# KiCad board zak180.kicad_pcb (continued)
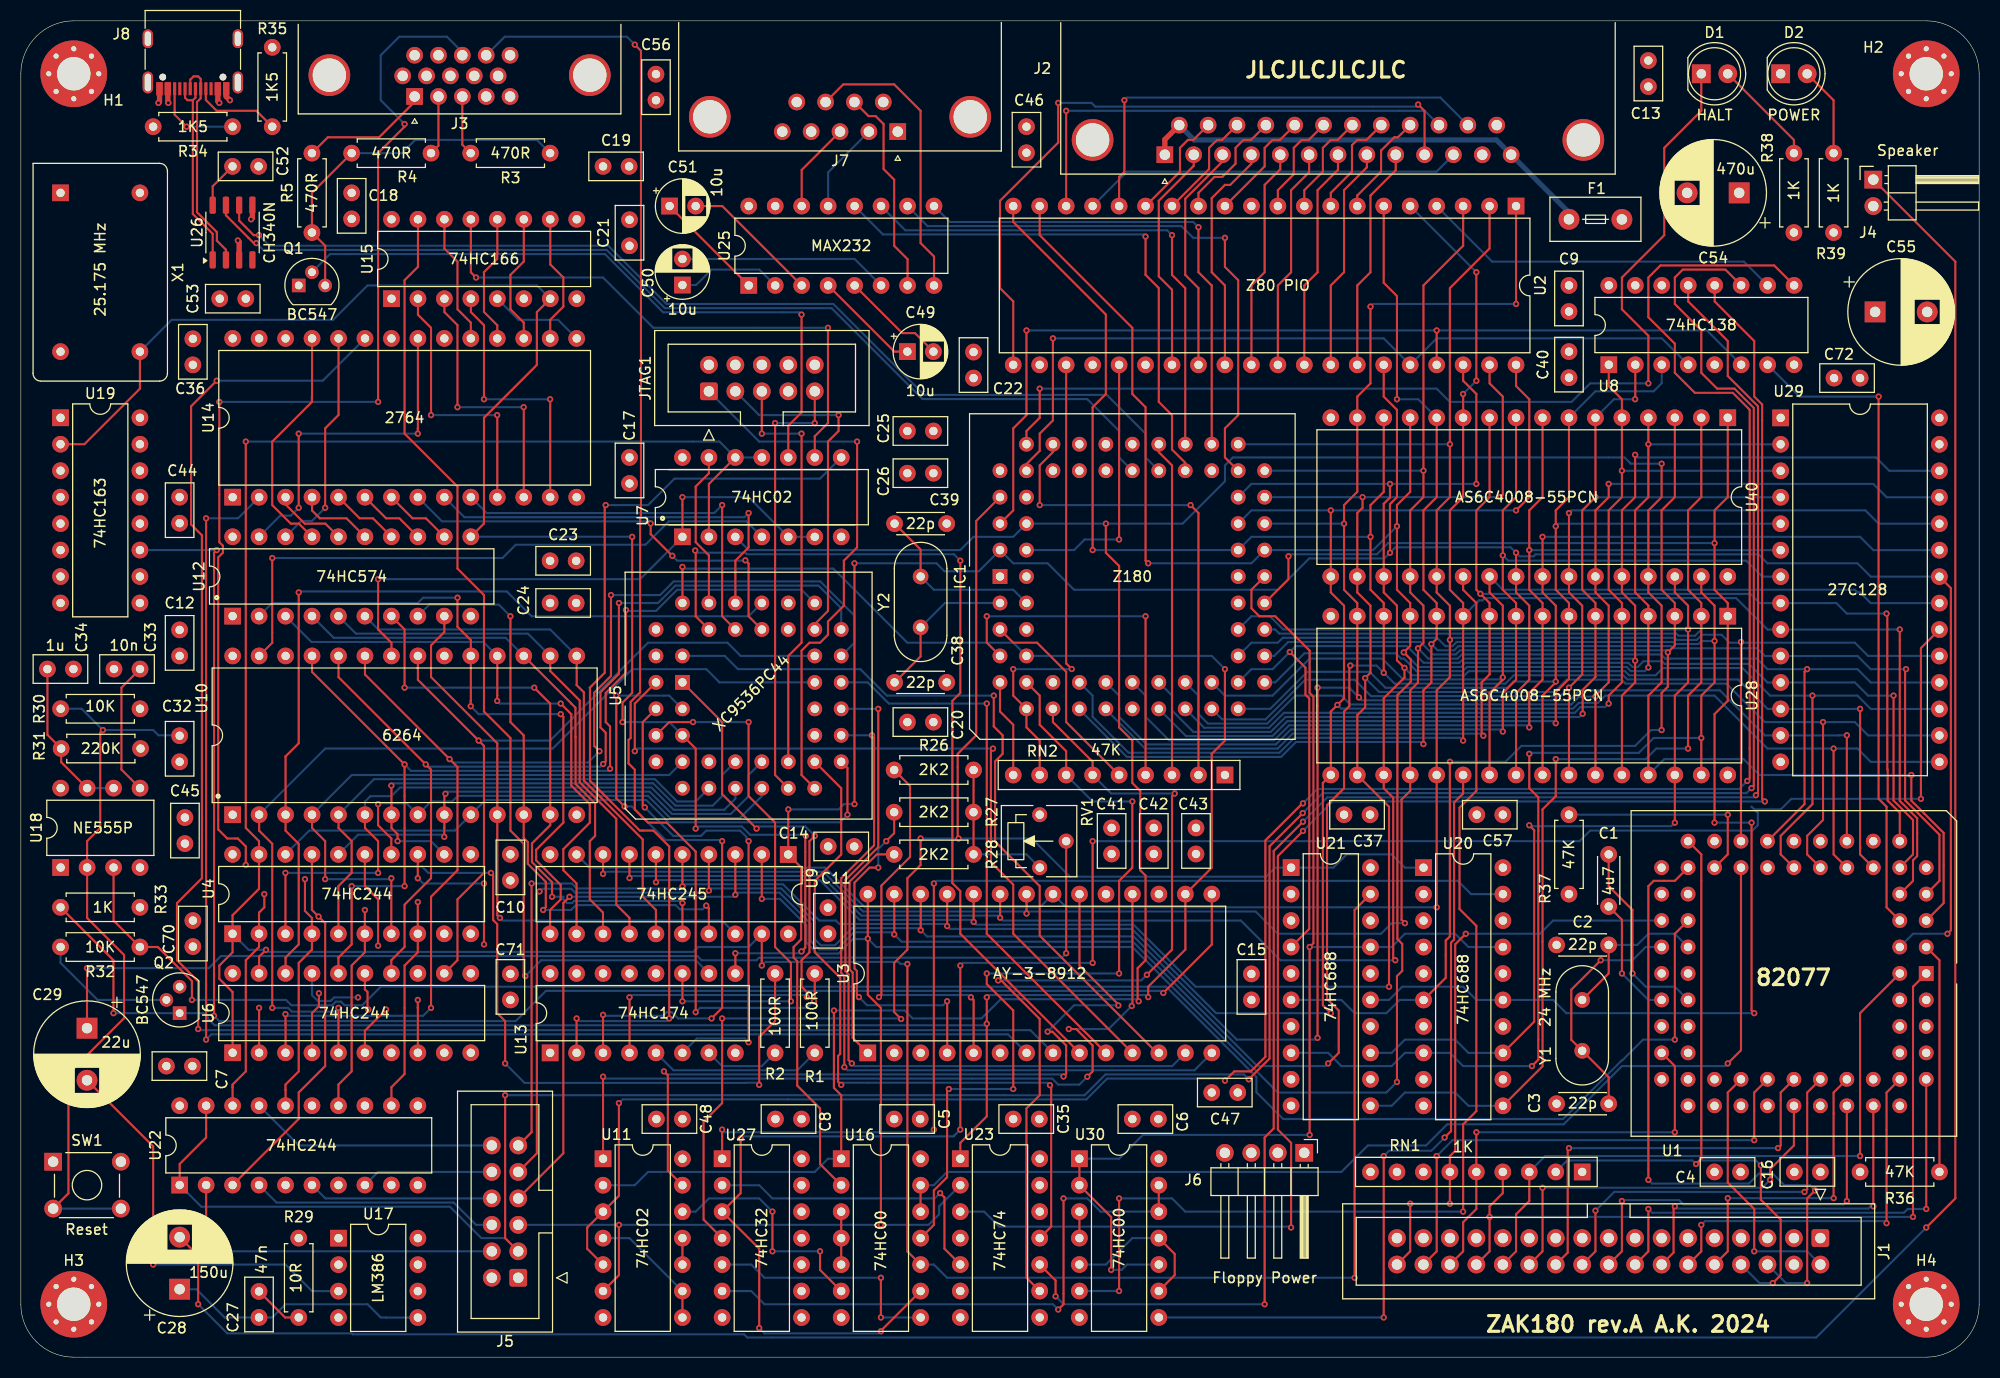
[diagram p0: board, top side]
## Routing (per net, layer and track width the routed paths; a pad name or vN(x,y) marks a point on that pad's centre or on a via; arc(x,y) is an arc through that point) (continued)
/cpu/D0: length 356.8
  Top w0.2: U2.19 97.79,107.7 106.68,98.81 106.68,92.46 107.95,91.19 107.95,76.45 v1(108.2,76.2) ; U9.2 71.11,43.99 v1(71.12,43.99) ; v1(179.74,63.5) 179.74,53.43 181.61,51.56 181.61,48.26 U1.11 ; U11.6 57.4,7.87 v1(57.4,12.7) ; U3.28 v1(81.29,40.18) 81.29,34.79 82.55,33.53 v1(82.55,12.7) ; v1(132.08,26.42) 132.08,36.58 132.59,37.08 132.59,39.66 132.12,40.13 132.12,63.54 133.4,64.82 133.4,66.98 v1(132.73,67.65) 133.35,68.27 U28.13 133.35,72.39 132.08,73.66 v1(132.08,79.76) 132.08,81.79 133.35,83.06 U40.13
  Bottom w0.2: v1(132.08,79.76) 129.79,77.47 IC1.37 118.11,76.2 v1(108.2,76.2) ; v1(132.73,67.65) 134.13,66.25 138.24,66.25 138.64,66.65 154.29,66.65 154.69,66.25 155.19,66.25 155.74,66.8 157.51,66.8 157.77,66.55 165.86,66.55 167.65,64.76 U29.11 175.76,64.76 175.77,64.77 176.02,64.77 177.29,63.5 v1(179.74,63.5) ; U23.2 88.14,14.48 88.14,13.72 87.12,12.7 v1(82.55,12.7) v1(57.4,12.7) J5.5 ; v1(132.08,26.42) 131.06,25.4 120.65,25.4 106.68,39.37 82.1,39.37 v1(81.29,40.18) 81.24,40.13 79.87,40.13 78.48,38.74 76.44,38.74 75.4,39.78 75.4,41.44 72.85,43.99 v1(71.12,43.99)
/cpu/D1: length 318.6
  Top w0.2: v1(68.58,44.39) 68.58,45.21 68.57,45.22 68.57,48.25 ; J5.7 52.07,19.57 52.07,43.6 v1(52.66,44.19) ; v1(176.53,62.23) 176.53,48.77 176.53,49.02 176.53,48.26 U1.13 ; U40.14 130.81,83.06 129.54,81.79 v1(129.54,78.74) 129.54,73.66 130.81,72.39 U28.14 v1(130.81,65.69) ; v1(83.83,40.58) U3.27 ; v1(125.48,28.19) 126.49,29.21 126.49,33.27 125.37,34.4 125.37,52.98 127,54.61 127,61.98 127.51,62.48 127.51,66.29 v1(127.6,66.39) ; U2.20 95.25,108.97 104.14,100.08 104.14,92.46 102.87,91.19 v1(102.87,77.47)
  Bottom w0.2: v1(176.53,62.23) 176.02,62.23 176.01,62.22 U29.12 167.65,62.22 164.82,65.05 154.19,65.05 153.79,65.45 143.29,65.45 142.49,64.65 131.85,64.65 v1(130.81,65.69) 130.12,66.39 v1(127.6,66.39) ; v1(52.66,44.19) 68.38,44.19 v1(68.58,44.39) 68.78,44.59 72.82,44.59 75.8,41.61 75.8,39.95 76.61,39.14 78.31,39.14 79.95,40.78 83.63,40.78 v1(83.83,40.58) 84.53,39.88 106.74,39.88 118.68,27.94 125.22,27.94 v1(125.48,28.19) ; v1(129.54,78.74) 118.11,78.74 IC1.38 v1(102.87,77.47)
/cpu/D2: length 285.8
  Top w0.2: U9.4 66.03,44.79 v1(66.04,44.79) ; v1(129.54,100.84) 129.54,93.47 128.27,92.2 U40.15 128.27,83.06 127,81.79 v1(127,80.01) 127,73.66 128.27,72.39 U28.15 128.27,63.49 v1(128.43,63.33) ; v1(124.46,64.26) v1(124.46,30.65) ; U2.1 v1(143.51,101.09) ; J5.9 49.53,19.57 49.53,44.45 v1(49.78,44.7) ; U1.14 v1(175.26,59.69) ; v1(86.37,40.98) U3.26
  Bottom w0.2: v1(124.46,30.65) 124.29,30.48 116.7,30.48 106.8,40.39 86.96,40.39 v1(86.37,40.98) 86.17,41.18 79.79,41.18 78.15,39.54 76.78,39.54 76.2,40.12 76.2,41.78 72.99,44.99 66.24,44.99 v1(66.04,44.79) 66.04,44.7 65.93,44.59 53.2,44.59 52.83,44.96 50.04,44.96 v1(49.78,44.7) ; v1(143.51,101.09) 129.79,101.09 v1(129.54,100.84) ; v1(175.26,59.69) 174.5,59.69 174.49,59.68 U29.13 167.4,59.68 163.07,64.01 149.61,64.01 148.65,63.05 128.71,63.05 v1(128.43,63.33) 127.5,64.26 v1(124.46,64.26) ; IC1.39 v1(127,80.01)
/cpu/D3: length 279.2
  Top w0.2: v1(173.99,58.42) 173.99,48.26 U1.15 ; J5.11 49.02,21.6 v1(49.02,45.47) ; v1(143.51,81.28) 144.78,82.55 144.78,91.95 143.51,93.22 U2.40 ; v1(125.73,33.02) 124.97,33.78 124.97,55.12 U28.17 125.73,61.98 v1(126.36,62.61) 127,63.25 127,72.14 125.73,73.41 v1(125.73,81.28) ; U9.5 63.49,45.73 63.5,45.72 v1(63.5,45.19) ; v1(88.91,41.38) U3.25
  Bottom w0.2: v1(126.36,62.61) 126.73,62.25 148.98,62.25 149.54,62.81 151.38,62.81 152.07,63.5 162.56,63.5 167.64,58.42 v1(173.99,58.42) 176.28,58.42 177.56,57.14 U29.15 ; v1(125.73,33.02) 114.73,33.02 106.64,41.11 89.18,41.11 v1(88.91,41.38) 88.71,41.58 78.56,41.58 78.23,41.91 76.63,41.91 73.15,45.39 63.7,45.39 v1(63.5,45.19) 63.3,44.99 53.37,44.99 52.89,45.47 v1(49.02,45.47) ; IC1.40 118.11,81.28 v1(125.73,81.28) v1(143.51,81.28)
/cpu/D4: length 239
  Top w0.2: v1(60.96,45.59) 60.96,46.23 60.95,46.23 60.95,48.25 ; U1.17 171.45,48.26 171.45,50.04 172.97,51.56 v1(172.97,60.96) ; U2.39 140.97,93.47 142.24,92.2 142.24,82.8 v1(141.99,82.55) ; v1(131.32,35.56) 131.32,52.84 U28.18 128.27,61.62 129.03,62.38 v1(129.03,65.19) 129.54,65.69 129.54,72.14 128.27,73.41 128.27,81.03 128.78,81.53 v1(128.78,82.55) ; v1(91.45,41.78) U3.24
  Bottom w0.2: v1(131.32,35.56) 112.75,35.56 106.8,41.51 91.72,41.51 v1(91.45,41.78) 91.25,41.98 80.5,41.98 76.69,45.79 61.16,45.79 v1(60.96,45.59) ; IC1.41 v1(128.78,82.55) v1(141.99,82.55) ; U29.16 177.3,59.68 176.02,60.96 v1(172.97,60.96) 167.39,60.96 163.7,64.65 154.03,64.65 153.65,65.02 148.34,65.02 147.17,63.85 130.37,63.85 v1(129.03,65.19)
/cpu/D5: length 237.1
  Top w0.2: U1.19 168.91,48.26 168.91,50.04 171.96,53.09 v1(171.96,63.5) ; v1(139.7,83.82) 139.7,92.46 138.43,93.73 U2.38 ; v1(58.42,45.99) 58.41,45.99 U9.7 ; v1(131.41,83.82) 131.41,82.51 130.81,81.91 130.81,73.41 132.08,72.14 132.08,66.89 v1(132.8,66.16) 132.8,65.24 130.81,63.25 U28.19 130.81,54.61 131.72,53.7 131.72,38.3 v1(131.92,38.1) ; v1(93.99,42.18) U3.23
  Bottom w0.2: U29.17 177.56,62.22 176.28,63.5 v1(171.96,63.5) 167.89,63.5 165.25,66.15 157.6,66.15 156.9,65.45 154.36,65.45 153.96,65.85 138.97,65.85 138.57,65.45 133.52,65.45 v1(132.8,66.16) ; v1(139.7,83.82) v1(131.41,83.82) 118.11,83.82 IC1.42 ; v1(58.42,45.99) 58.62,46.19 76.86,46.19 80.67,42.38 93.79,42.38 v1(93.99,42.18) 94.26,41.91 117.09,41.91 120.9,38.1 v1(131.92,38.1)
/cpu/D6: length 241.4
  Top w0.2: v1(55.88,46.39) 55.88,48.24 55.87,48.25 ; U1.20 171.2,53.09 171.2,65.79 v1(171.45,66.04) ; U2.3 138.43,106.68 134.62,102.87 v1(134.62,85.09) 134.62,82.55 133.35,81.28 133.35,73.41 134.62,72.14 134.62,68.56 v1(134.1,68.04) 134.1,64.76 133.35,64.01 U28.20 133.35,54.36 132.52,53.52 132.52,41.98 v1(132.84,41.66) ; v1(96.53,42.58) U3.22
  Bottom w0.2: U29.18 177.56,64.76 176.28,66.04 v1(171.45,66.04) 167.64,66.04 166.62,67.06 158.33,67.06 158.33,67.05 157.83,67.05 157.43,67.45 138.31,67.45 137.91,67.05 135.08,67.05 v1(134.1,68.04) ; v1(55.88,46.39) 56.08,46.59 77.02,46.59 80.83,42.78 96.33,42.78 v1(96.53,42.58) 96.73,42.78 118.51,42.78 120.65,40.64 130.56,40.64 131.57,41.66 v1(132.84,41.66) ; IC1.43 v1(134.62,85.09)
/cpu/D7: length 243.8
  Top w0.2: U2.2 140.97,106.43 137.16,102.62 v1(137.16,87.63) 137.16,82.55 135.89,81.28 135.89,73.41 137.16,72.14 v1(137.16,68.85) 137.16,65.28 135.89,64.01 U28.21 v1(135.89,43.18) ; U1.22 v1(165.1,68.65)
  Bottom w0.2: IC1.44 v1(137.16,87.63) ; 53.33,48.25 54.59,46.99 77.19,46.99 81,43.18 97.8,43.18 U3.21 100.33,43.18 v1(135.89,43.18) ; U29.19 184.13,67.31 177.29,67.31 176.02,68.58 163.99,68.58 163.23,69.34 161.35,69.34 160.86,68.85 158.93,68.85 158.73,69.05 137.36,69.05 v1(137.16,68.85)
/cpu/RX0: length 53.2
  Top w0.2: v1(107.95,107.57) 107.95,103.89 109.22,102.62 109.22,91.69 110.49,90.42 110.49,87.12 111.76,85.85 IC1.49
  Bottom w0.2: U25.12 82.75,107.77 107.75,107.77 v1(107.95,107.57)
/cpu/RX1: length 99.6
  Top w0.2: v1(22.61,106.93) 22.35,106.93 19.68,109.6 U26.7
  Bottom w0.2: v1(22.61,106.93) 23.26,106.28 56.22,106.28 61.81,100.69 77.81,100.69 86.54,91.96 102.35,91.96 105.41,88.9 105.41,86.36 IC1.53
/cpu/TX0: length 49.7
  Top w0.2: IC1.48 111.76,102.62 110.49,103.89 v1(110.49,107.7)
  Bottom w0.2: U25.11 84.89,108.17 110.02,108.17 v1(110.49,107.7)
/cpu/TX1: length 101
  Top w0.2: v1(22.86,107.7) 22.35,107.7 20.95,109.09 U26.6
  Bottom w0.2: v1(22.86,107.7) 23.88,106.68 56.39,106.68 61.98,101.09 77.98,101.09 86.71,92.36 104.23,92.36 107.95,88.65 107.95,86.36 IC1.51
/cpu/VBLANK: length 69.7
  Top w0.2: U23.11 98.89,12.53 98.89,25.99 v1(98.77,26.11) ; U5.19 78.74,54.61 78.74,48.26 76.2,45.72 76.2,38.86 78.64,36.42 78.64,29.11 78.44,28.91 78.44,26.44 v1(78.74,26.14)
  Bottom w0.2: v1(98.77,26.11) 98.54,26.34 78.94,26.34 v1(78.74,26.14)
/cpu/~{CTS0}: length 47.6
  Top w0.2: IC1.46 114.3,102.87 113.03,104.14 v1(113.03,108.46)
  Bottom w0.2: U25.9 89.17,108.97 112.52,108.97 v1(113.03,108.46)
/cpu/~{FLOPPY}: length 63.1
  Top w0.2: U1.6 179.07,43.18 179.07,52.83 178.31,53.59 v1(178.31,92.2)
  Bottom w0.2: v1(178.31,92.2) 170.71,92.2 U8.7
/cpu/~{HALT}: length 99.5
  Top w0.2: IC1.60 96.52,88.9 97.79,90.17 v1(97.79,92.96) ; D1.1 161.29,119.63 157.73,116.08 157.73,107.7 153.67,103.63 153.67,100.58 156.21,98.04 v1(156.21,93.47)
  Bottom w0.2: v1(97.79,92.96) 135.89,92.96 137.16,91.69 148.84,91.69 150.62,93.47 v1(156.21,93.47)
/cpu/~{INT0}: length 46.3
  Top w0.2: v1(95.25,66.04) 95.25,63.5 IC1.10 96.52,60.45 97.79,59.18 RN2.8 ; v1(100.87,66.05) 100.33,66.59 U2.23
  Bottom w0.2: v1(95.25,66.04) 100.85,66.04 v1(100.87,66.05)
/cpu/~{INT1}: length 81.4
  Top w0.2: v1(89.07,25.74) 88.9,25.57 88.9,17.27 87.63,16 87.63,12.7 U16.11 ; v1(95.25,25.74) 95.25,33.27 92.71,35.81 v1(92.71,36.83) ; IC1.11 97.79,63.5 97.79,60.71 100.33,58.17 RN2.7 ; v1(105.41,36.83) 105.41,45.72 106.68,46.99 v1(106.68,53.34)
  Bottom w0.2: v1(106.68,53.34) 102.87,53.34 RN2.7 ; v1(89.07,25.74) v1(95.25,25.74) ; v1(105.41,36.83) v1(92.71,36.83)
/cpu/~{IORQ}: length 77.9
  Top w0.2: v1(99.06,97.79) 99.06,89.92 97.79,88.65 97.79,87 96.52,85.72 IC1.62
  Bottom w0.2: U8.4 157.5,97.79 135.89,97.79 U2.36 130.81,97.79 v1(99.06,97.79)
/cpu/~{KEYBOARD}: length 264
  Top w0.2: U8.11 163.6,104.39 159.51,104.39 158.75,103.63 158.75,101.09 161.29,98.55 161.29,94.49 162.81,92.96 164.48,92.96 166.33,91.11 166.33,54.84 v1(166.11,54.62) ; v1(117.86,26.67) 119.85,28.66 119.85,49.03 v1(123.04,52.22) ; U22.1 15.24,18.55 17.78,21.08 17.78,21.84 17.78,21.85 U22.19 ; J5.3 46.48,11.42 v1(46.48,25.15)
  Bottom w0.2: v1(117.86,26.67) 117.39,27.14 104.1,27.14 102.1,25.14 94.49,25.14 94.49,25.15 89.32,25.15 89.32,25.14 88.82,25.14 88.81,25.15 v1(46.48,25.15) ; v1(166.11,54.62) 165.63,54.14 124.96,54.14 v1(123.04,52.22) ; U22.1 17.32,14.44 41.19,14.44 44.2,11.43 46.47,11.43 J5.3
/cpu/~{M1}: length 92.9
  Top w0.2: v1(135.89,98.55) U2.37 ; v1(96.52,98.55) 96.52,90.42 95.25,89.15 95.25,81.28 IC1.65
  Bottom w0.2: U8.6 161.82,98.55 v1(135.89,98.55) v1(96.52,98.55)
/cpu/~{NMI}: length 9.4
  Top w0.2: RN2.9 95.25,60.71 93.98,61.98 IC1.9
/cpu/~{PIO}: length 34.9
  Bottom w0.2: U8.10 165.38,105.16 141.22,105.16 U2.4
/cpu/~{RAM}: length 56.1
  Top w0.2: v1(100.08,15.24) 100.08,5.08 v1(99.57,4.57) ; U30.12 U30.13
  Bottom w0.2: v1(99.57,4.57) 99.06,5.08 71.37,5.08 70.11,6.34 U27.6 ; v1(100.08,15.24) 102.36,15.24 103.63,13.97 U30.12
/cpu/~{RD}: length 259.5
  Top w0.2: U2.35 130.81,92.2 132.08,90.93 132.08,82.55 131.41,81.88 v1(131.41,77.22) ; v1(143.51,77.22) 143.51,73.41 144.78,72.14 144.78,65.02 143.51,63.75 U28.24 ; U29.22 185.24,73.82 185.24,40.97 v1(184.91,40.64) ; v1(80.01,53.09) v1(80.01,76.2) ; U16.2 76.71,18.54 76.71,23.88 74.51,26.07 74.51,38.01 74.17,38.35 74.17,39.37 74.89,40.09 74.89,47.01 U9.1 73.65,52.57 v1(73.66,52.58)
  Bottom w0.2: v1(80.01,53.09) 78.99,53.09 78.49,52.58 v1(73.66,52.58) ; U29.22 177.56,74.92 176.28,76.2 167.64,76.2 166.78,77.06 145.39,77.06 145.2,76.87 143.86,76.87 v1(143.51,77.22) 142.99,77.74 131.93,77.74 v1(131.41,77.22) 130.86,76.67 123.66,76.67 120.65,73.66 101.09,73.66 98.55,76.2 95.25,76.2 IC1.67 91.95,75.44 88.65,75.44 87.88,76.2 v1(80.01,76.2) ; U1.4 181.61,40.64 v1(184.91,40.64)
/cpu/~{ROM}: length 199.9
  Top w0.2: v1(182.37,53.59) 182.37,68.07 U29.20 ; v1(70.87,2.79) 70.87,10.41 U27.3 69.09,15.74 v1(69.09,20.99) ; U16.9 82.55,2.54 v1(82.55,2.49) ; v1(102.87,49.53) v1(102.87,37.85) ; v1(90.17,21.84) v1(90.17,37.59)
  Bottom w0.2: v1(102.87,49.53) 149.61,49.53 150.62,50.55 166.2,50.55 166.72,51.06 166.72,52.23 166.12,52.83 166.37,52.58 168.91,52.58 169.93,53.59 v1(182.37,53.59) ; v1(90.17,37.59) 90.42,37.85 v1(102.87,37.85) ; 89.66,21.34 89.57,21.24 ; 89.66,21.34 v1(90.17,21.84) ; 89.66,21.34 89.52,21.19 69.29,21.19 v1(69.09,20.99) ; v1(82.55,2.49) 82.35,2.29 71.37,2.29 v1(70.87,2.79)
/cpu/~{RTS0}: length 55.7
  Top w0.2: IC1.45 115.57,86.36 115.57,89.15 116.84,90.42 116.84,103.38 115.57,104.65 v1(115.57,107.44)
  Bottom w0.2: v1(115.57,107.44) 112.52,107.44 111.4,108.57 87.03,108.57 U25.10
/cpu/~{SOUND}: length 220.7
  Top w0.2: v1(115.57,26.54) 116.46,27.43 118.05,27.43 119.45,28.83 119.45,49.6 123.01,53.16 v1(123.06,53.16) ; U11.5 54.36,10.41 54.36,12.44 U11.3 57.4,15.49 v1(57.4,24.38) ; v1(165.7,55.31) 165.93,55.54 165.93,90.94 164.31,92.56 160.67,92.56 158.75,94.49 158.75,97.28 156.21,99.82 156.21,103.63 157.37,104.79 168.28,104.79 U8.9
  Bottom w0.2: v1(115.57,26.54) 115.37,26.74 104.27,26.74 102.27,24.74 73.67,24.74 73.66,24.75 57.77,24.75 v1(57.4,24.38) ; v1(123.06,53.16) 124.44,54.54 164.93,54.54 v1(165.7,55.31)
/cpu/~{VBLANKACK}: length 168.2
  Top w0.2: U8.13 160.03,101.33 163.83,97.54 163.83,94.18 166.73,91.27 166.73,54.14 v1(166.53,53.94) ; v1(99.31,5.84) 99.31,7.37 U23.10 ; v1(119.38,5.08) 119.38,21.08 120.25,21.95 120.25,48.59 v1(123.06,51.4)
  Bottom w0.2: v1(166.53,53.94) 166.33,53.74 125.4,53.74 v1(123.06,51.4) ; v1(99.31,5.84) 100.08,5.08 v1(119.38,5.08)
/cpu/~{VRAM}: length 301.2
  Top w0.2: U16.10 85.09,10.16 v1(85.09,37.74) ; v1(128.02,7.62) 128.02,42.93 U21.19 ; v1(23.53,39.1) 22.86,38.43 U6.19 ; U7.12 66.04,83.82 U7.2 ; v1(71.12,37.59) 71.12,38.1 71.11,38.1 U9.19 ; v1(21.59,87.88) 21.59,50.8 22.86,49.53 U4.19 22.86,44.96 20.32,42.42 U4.1 20.32,38.86 19.05,37.59 19.05,36.32 20.32,35.05 U6.1
  Bottom w0.2: U4.1 21.86,39.1 v1(23.53,39.1) 23.73,38.9 64.55,38.9 65.02,39.37 69.85,39.37 U9.19 ; U7.11 U7.12 67.06,87.88 v1(21.59,87.88) ; v1(128.02,7.62) 88.9,7.62 87.63,8.89 87.62,8.88 U16.10 ; v1(85.09,37.74) 84.43,37.74 84.23,37.94 71.47,37.94 v1(71.12,37.59)
/cpu/~{WAIT}: length 20
  Top w0.2: RN2.5 100.33,60.96 100.33,65.79 97.54,68.58 95.25,68.58 IC1.5
/cpu/~{WR}: length 284.8
  Top w0.2: v1(107.29,34.16) 107.19,34.26 107.19,37.34 107.95,38.1 107.95,46.23 107.44,46.74 107.44,54.36 106.68,55.12 106.68,59.18 105.41,60.45 105.41,75.95 104.14,77.22 v1(104.14,80.01) ; U16.1 78.74,25.15 78.04,25.85 v1(78.04,33.27) ; v1(181.45,55.88) 181.45,53.42 184.55,50.32 184.55,43.58 U1.5 ; v1(157.48,85.76) 157.48,82.55 156.21,81.28 156.21,73.41 157.48,72.14 157.48,64.77 156.21,63.5 U28.29
  Bottom w0.2: U11.2 58.92,16.51 60.2,17.78 76.2,17.78 77.47,19.05 77.47,19.05 U16.1 ; v1(157.48,85.76) 154.52,85.76 153.92,86.36 116.33,86.36 115.57,85.6 115.57,84.07 111.51,80.01 v1(104.14,80.01) IC1.66 95.25,78.74 91.44,78.74 90.17,77.47 69.85,77.47 U7.3 ; v1(78.04,33.27) 84.84,33.27 85.6,32.51 92.2,32.51 94.05,34.36 107.09,34.36 v1(107.29,34.16) ; U28.29 157.73,57.4 165.35,57.4 166.88,55.88 v1(181.45,55.88)
/floppy/IRQ: length 104.2
  Top w0.2: U16.13 U16.12 ; U1.23 165.1,29.46 v1(163.83,28.19)
  Bottom w0.2: U16.13 87.62,16.51 88.9,17.78 126.75,17.78 129.29,20.32 134.87,20.32 136.91,22.35 148.08,22.35 153.67,27.94 163.58,27.94 v1(163.83,28.19)
/floppy/TC: length 20.8
  Top w0.2: U1.25 163.83,48.26 v1(163.83,52.07)
  Bottom w0.2: R37.1 v1(163.83,52.07)
/floppy/~{DACK}: length 22.1
  Top w0.2: U1.3 184.15,38.1 R36.2
/sound/ROMSEL0: length 164.4
  Top w0.2: v1(17.02,31.5) 17.02,36.07 14.99,38.1 14.99,43.58 17.38,45.97 17.38,78.89 16.34,79.93 16.34,91.27 v1(18.8,93.73)
  Bottom w0.2: v1(17.02,31.5) 17.13,31.39 96.89,31.39 U3.8 ; v1(18.8,93.73) 28.97,93.73 33.03,97.78
/sound/ROMSEL1: length 135.7
  Top w0.2: v1(17.78,30.48) v1(17.78,80.52)
  Bottom w0.2: v1(17.78,30.48) 18.29,30.99 94.75,30.99 U3.7 ; v1(17.78,80.52) 20.84,80.52 U14.2
/sound/SCRL0: length 72.4
  Top w0.2: v1(81.7,59.69) 81.9,59.49 81.9,49.13 78.74,45.97 78.74,36.89 79.04,36.59 v1(79.04,27.84)
  Bottom w0.2: v1(81.7,59.69) U5.20 ; U3.14 112.64,27.54 79.34,27.54 v1(79.04,27.84)
/sound/SCRL1: length 71.8
  Top w0.2: v1(82.3,62.23) 82.3,48.96 79.14,45.81 79.14,37.05 79.44,36.75 79.44,28.51 v1(79.76,28.19)
  Bottom w0.2: U3.13 110.5,27.94 80.01,27.94 v1(79.76,28.19) ; v1(82.3,62.23) U5.22
/sound/SCRL2: length 73
  Top w0.2: U3.12 109.05,29.2 97.79,40.46 97.79,45.21 93.51,49.49 93.51,57.19 94.23,57.91 94.23,59.69 93.38,60.54 v1(93.38,63.5)
  Bottom w0.2: v1(93.38,63.5) 83.12,63.5 80.58,66.04 68.83,66.04 67.56,67.31 U5.43
/sound/SCRL3: length 76.9
  Top w0.2: U3.11 95.25,40.65 95.25,45.36 93.11,47.5 93.11,58.22 v1(93.31,58.42) ; v1(58.93,58.17) 58.93,62.74 U5.44
  Bottom w0.2: v1(58.93,58.17) 59.18,58.42 v1(93.31,58.42)
/sound/SCRL4: length 53.1
  Top w0.2: U3.10 92.71,40.65 v1(92.71,62.74)
  Bottom w0.2: U5.24 81.28,64.77 83.31,62.74 v1(92.71,62.74)
/sound/SCRL5: length 86.6
  Top w0.2: U3.9 90.17,40.65 90.17,44.74 89.41,45.5 89.41,62.99 90.17,63.75 v1(90.17,76.45) ; U5.38 64.77,71.12 64.77,77.38 v1(64.73,77.43)
  Bottom w0.2: v1(90.17,76.45) 89.55,77.07 69.68,77.07 69.54,77.22 64.94,77.22 v1(64.73,77.43)
/vga/BLANK: length 90.7
  Top w0.2: v1(56.13,81.79) 56.04,81.7 56.04,65.69 54.61,64.26 54.63,64.25 54.63,55.33 59.41,50.55 60.71,50.55 62.23,49.02 v1(62.23,32.51) ; v1(53.34,32.51) U13.2
  Bottom w0.2: v1(53.34,32.51) 53.59,32.26 61.98,32.26 v1(62.23,32.51) ; v1(56.13,81.79) 60.2,81.79 62.74,84.33 76.71,84.33 U7.8
/vga/COL3: length 62.6
  Top w0.2: U5.18 79.34,56.55 v1(79.34,52.07)
  Bottom w0.2: U4.18 27.69,50.55 41.67,50.55 U10.10 44.6,53.48 60.02,53.48 62.16,51.34 78.61,51.34 v1(79.34,52.07)
/vga/COL4: length 49.8
  Top w0.2: v1(40.76,54.08) 40.65,53.97 U10.9 40.65,50.81 40.64,50.8 v1(40.64,49.95)
  Bottom w0.2: U5.14 69.85,55.88 69.85,53.85 68.14,52.14 62.49,52.14 60.35,54.28 40.96,54.28 v1(40.76,54.08) ; U4.16 32.37,50.15 40.44,50.15 v1(40.64,49.95)
/vga/COL5: length 45.9
  Top w0.2: v1(34.29,53.09) 34.29,51.05 35.56,49.78 U4.14
  Bottom w0.2: v1(34.29,53.09) 34.37,53.17 37.01,53.17 U10.8 39.38,53.34 41.4,53.34 41.94,53.88 60.19,53.88 62.33,51.74 69.01,51.74 71.12,53.85 U5.13
/vga/COL6: length 47.5
  Top w0.2: v1(35.56,54.86) 35.57,54.85 U10.7 35.57,50.79 36.16,50.2 v1(36.16,49.53)
  Bottom w0.2: U5.12 67.31,55.88 67.31,53.85 66.4,52.94 62.83,52.94 60.69,55.08 35.78,55.08 v1(35.56,54.86) ; v1(36.16,49.53) 39.37,49.53 U4.12
/vga/COL7: length 60.5
  Top w0.2: U10.6 33.03,50.79 34.29,49.53 v1(34.29,46.48) ; v1(25.4,46.48) U4.3
  Bottom w0.2: v1(34.29,46.48) v1(25.4,46.48) ; U5.11 68.58,53.6 67.52,52.54 62.66,52.54 60.52,54.68 36.39,54.68 35.56,53.85 33.55,53.85 33.03,53.33 U10.6
/vga/COL8: length 50.9
  Top w0.2: U4.5 30.48,45.21 31.75,46.48 31.75,49.53 30.49,50.79 U10.5
  Bottom w0.2: U10.5 33.9,55.48 60.85,55.48 62.99,53.34 64.77,53.34 U5.9
/vga/COL9: length 56.1
  Top w0.2: U10.4 27.95,50.79 29.21,49.53 v1(29.21,45.88) ; v1(35.56,45.97) U4.7
  Bottom w0.2: U10.4 31.76,55.88 62.23,55.88 U5.8 ; v1(35.56,45.97) 35.47,45.88 v1(29.21,45.88)
/vga/GD0: length 55.5
  Top w0.2: U12.9 40.64,69.6 39.37,68.33 39.37,65.28 45.73,58.92 U10.11 45.73,42.41 v1(45.97,42.16)
  Bottom w0.2: v1(45.97,42.16) 46.23,41.91 67.29,41.91 68.57,40.63
/vga/GD1: length 58.5
  Top w0.2: v1(46.99,71.12) 46.99,60.96 48.26,59.69 48.26,59.18 48.27,59.17 U10.12 48.26,52.06 48.26,49.84 48.66,49.44 48.66,47.35 50.38,45.63 50.38,43.18 v1(50.13,42.93) ; U9.17 66.03,43.09 v1(65.79,43.34)
  Bottom w0.2: v1(46.99,71.12) 45.88,72.23 39.2,72.23 38.1,71.13 ; v1(50.13,42.93) 52.81,42.93 53.28,43.39 62.85,43.39 63.25,42.99 65.43,42.99 v1(65.79,43.34)
/vga/GD2: length 58.1
  Top w0.2: v1(50.98,44.2) 50.98,45.59 49.06,47.52 49.06,49.31 50.81,51.06 U10.13 50.81,62.73 v1(49.28,64.26) ; U9.16 63.49,43.59 v1(63.5,43.59) ; v1(36.83,64.26) 36.83,69.87 U12.7
  Bottom w0.2: v1(63.5,43.59) 63.3,43.79 53.11,43.79 52.91,43.59 52.42,43.59 52.06,43.94 52.06,44.2 v1(50.98,44.2) ; v1(36.83,64.26) v1(49.28,64.26)
/vga/GD3: length 51.7